# Altium PCB CM4-Tower.PcbDoc (part 9 of 10)
Units mil, origin at the board's own origin, x right, y up, seen from the top; angles counter-clockwise.
Board outline 1968.5 x 5354.33 mil, 8 copper layers (Top Layer, Layer 2, Layer 3, Layer 4, Layer 5, Layer 6, Layer 7, Bottom Layer), stack 61.408 mil thick; 632 components, 480 nets, 2338 pads, 1074 vias.
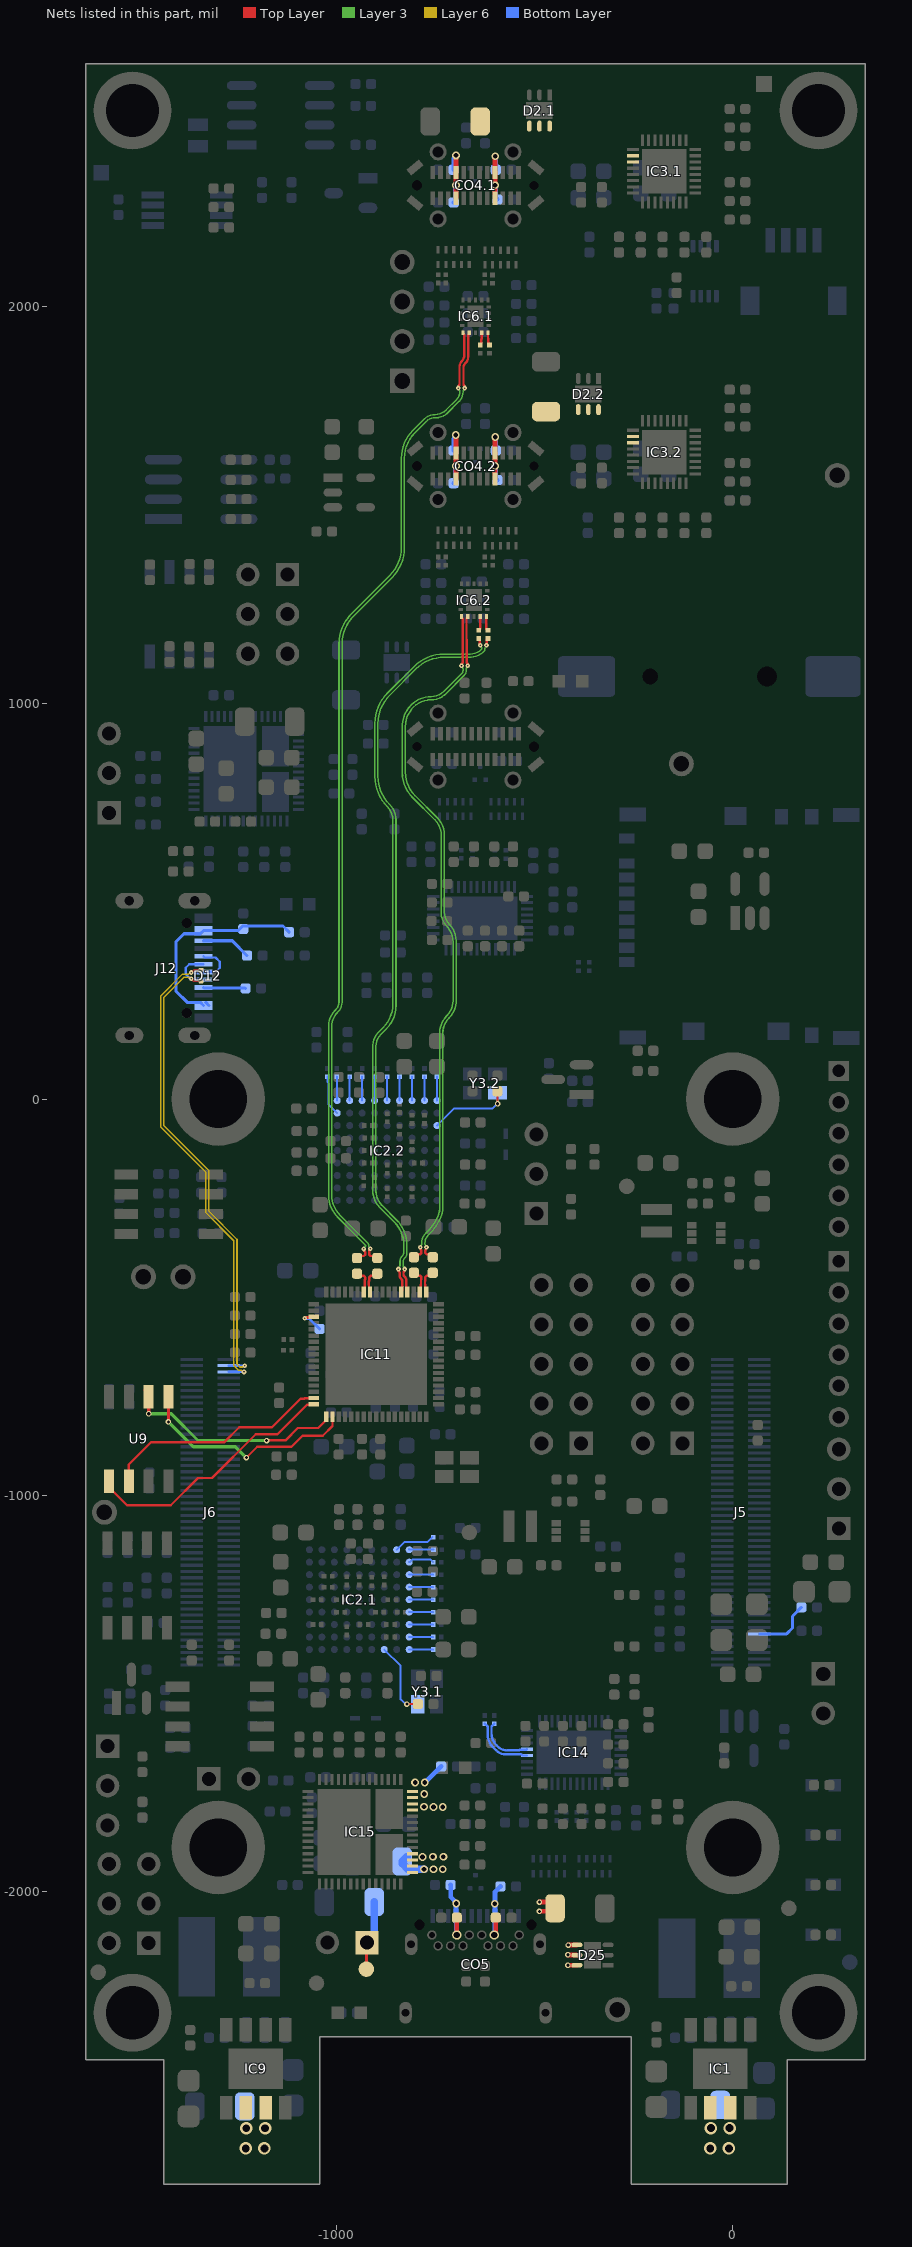
[diagram p15: the nets of this part, all layers, seen from the top]

## Via types
v1: diameter 13.78, hole 7.87, Top Layer to Bottom Layer, tented both sides, 538 vias
v2: diameter 11.81, hole 3.94, Top Layer to Bottom Layer, tented both sides, 294 vias
v3: diameter 19.68, hole 11.81, Top Layer to Bottom Layer, tented both sides, 193 vias
v4: diameter 31.5, hole 19.68, Top Layer to Bottom Layer, tented both sides, 49 vias

## Nets (pads, with @x,y where several pads share a name; then routed paths per layer and width w, separated by ;. In a path a pad name is that pad's centre, name@x,y a point inside that pad or via, vN(x,y) a via of type N, cw(c..) or ccw(c..) an arc to the next point about the centre after c; other vN are vias at no path point) (continued)
USB3_DFP_RX.2_N: C30.2.2 IC11.5 | length 1889
  Top Layer w5.91: v2(-844.33,-429.29) cw(c-847.05,-432.02) -843.2,-432.02 -843.2,-434.26 ccw(c-840.09,-434.26) -842.29,-436.46 cw(c-844.49,-438.66) -841.37,-438.66 -841.37,-445.49 ccw(c-831.62,-445.49) -838.52,-452.38 -837.92,-452.98 cw(c-846.26,-461.33) -834.46,-461.33 -834.46,-467.7 cw(c-835.8,-467.7) -834.85,-468.65 -834.85,-480.9 cw(c-843.59,-480.9) IC11.5@-837.41,-487.08 ; C30.2.2@-641.73,1162.8 -638.93,1159.99 -638.93,1146.8 v2(-637.8,1145.67)
  Layer 3 w3.94: v2(-844.33,-429.29) cw(c-839.18,-429.29) -842.83,-425.66 -842.36,-425.19 ccw(c-847.11,-420.44) -840.39,-420.44 -840.39,-408.92 cw(c-823.86,-408.92) -835.55,-397.24 ccw(c-847.24,-385.55) -830.71,-385.55 -830.71,-368.73 ccw(c-912.99,-368.73) -854.81,-310.55 -891.7,-273.66 cw(c-850.11,-232.07) -891.74,-273.62 cw(c-850.11,-232.07) -908.47,-239.38 cw(c-850.11,-232.07) -908.86,-234.88 cw(c-850.11,-232.07) -908.93,-232.07 -908.93,136.16 cw(c-865.69,136.16) -896.26,166.73 -883.6,179.4 ccw(c-944.75,240.54) -858.27,240.54 -858.27,704.56 ccw(c-906.19,704.56) -872.3,738.45 cw(c-796.07,814.68) -903.88,814.68 -903.88,948.44 cw(c-796.11,948.44) -903.88,948.59 cw(c-796.11,948.44) -872.36,1024.6 cw(c-796.11,948.44) -872.32,1024.65 -805.16,1091.8 cw(c-728.95,1015.6) -805.08,1091.88 cw(c-728.95,1015.6) -728.95,1123.37 -663.03,1123.37 ccw(c-663.03,1162.91) -635.07,1134.95 ccw(c-638.01,1137.88) -633.86,1137.88 ccw(c-638.01,1137.88) -635.07,1140.82 -636.29,1142.03 cw(c-632.65,1145.67) v2(-637.8,1145.67)
USB3_DFP_RX.2_P: C24.2.2 IC11.4 | length 1888.9
  Top Layer w5.91: v2(-828.58,-429.29) ccw(c-825.85,-432.02) -829.62,-431.19 ccw(c-825.85,-432.02) -829.71,-432.02 -829.71,-434.26 cw(c-832.82,-434.26) -830.62,-436.46 ccw(c-828.42,-438.66) -831.53,-438.66 -831.53,-441.41 ccw(c-821.78,-441.41) -828.68,-448.3 -828.07,-448.91 cw(c-836.42,-457.25) -824.62,-457.25 -824.62,-467.7 ccw(c-823.27,-467.7) -824.22,-468.65 -824.22,-480.9 ccw(c-815.49,-480.9) IC11.4@-821.66,-487.08 ; v2(-622.05,1145.67) -620.92,1146.8 -620.92,1159.99 C24.2.2@-618.11,1162.8
  Layer 3 w3.94: v2(-828.58,-429.29) ccw(c-833.72,-429.29) -830.08,-425.66 -830.55,-425.19 cw(c-825.8,-420.44) -832.52,-420.44 -832.52,-412.19 cw(c-815.99,-412.19) -827.68,-400.5 ccw(c-839.36,-388.81) -822.83,-388.81 -822.83,-368.73 ccw(c-912.99,-368.73) -844.92,-309.61 -847,-307.22 -886.09,-268.13 cw(c-849.98,-232.01) -886.15,-268.07 cw(c-849.98,-232.01) -900.6,-238.82 cw(c-849.98,-232.01) -901.05,-232.01 -901.05,132.89 cw(c-857.81,132.89) -888.39,163.47 -875.72,176.13 ccw(c-936.87,237.28) -850.39,237.28 -850.39,704.59 ccw(c-906.11,704.59) -866.71,743.99 -866.78,744.06 cw(c-796.01,814.71) -896.01,814.71 -896.01,948.4 cw(c-796.01,948.4) -866.72,1019.11 -799.62,1086.2 cw(c-728.91,1015.49) -728.91,1115.49 -662.09,1115.49 -661.15,1115.53 ccw(c-663.03,1162.91) -630.81,1128.13 -630.15,1128.74 -628.35,1130.53 ccw(c-634.07,1136.25) -625.98,1136.25 cw(c-617.9,1136.25) v2@-623.62,1141.96 ; v2@-623.62,1141.97 -623.55,1142.03 ccw(c-627.19,1145.67) v2(-622.05,1145.67)
USB3_DFP_RX_C.1_N: C30.1.1 IC6.1.17 | length 32
  Top Layer w6.1: C30.1.1@-637.8,1904.13 ccw(c-644.69,1911.02) -634.94,1911.02 -634.94,1918.13 cw(c-633.09,1918.13) -634.4,1919.44 ccw(c-635.71,1920.75) -633.86,1920.75 IC6.1.17@-633.86,1935.04
USB3_DFP_RX_C.1_P: C24.1.1 IC6.1.18 | length 32
  Top Layer w6.1: IC6.1.18@-618.11,1935.04 -618.11,1920.75 ccw(c-616.26,1920.75) -617.57,1919.44 cw(c-618.88,1918.13) -617.03,1918.13 -617.03,1911.02 ccw(c-607.28,1911.02) C24.1.1@-614.17,1904.13
USB3_DFP_RX_C.2_N: C30.2.1 IC6.2.17 | length 36.5
  Top Layer w6.1: C30.2.1@-641.73,1183.66 -637.8,1187.6 IC6.2.17@-637.8,1218.5
USB3_DFP_RX_C.2_P: C24.2.1 IC6.2.18 | length 37
  Top Layer w6.1: IC6.2.18@-622.05,1218.5 -622.05,1187.6 -619.09,1184.65 C24.2.1@-617.13,1184.65
USB3_DFP_TX.1_N: C89.1 IC6.1.14 | length 2530.7
  Top Layer w5.91: C89.1@-948.82,-401.57 -943.47,-396.23 -931.61,-396.23 -928.15,-392.77 -928.15,-386.04 -930.11,-384.07 -930.45,-383.74 -930.45,-379.56 v2(-931.58,-378.43) ; v2(-692.91,1795.28) ccw(c-695.64,1798) -691.78,1798 -691.78,1800.25 cw(c-688.67,1800.25) -690.87,1802.45 ccw(c-693.07,1804.65) -689.96,1804.65 -689.96,1849.31 cw(c-669.8,1849.31) -684.06,1863.57 ccw(c-698.31,1877.82) -678.15,1877.82 -678.15,1927.91 ccw(c-683.48,1927.91) -679.71,1931.68 cw(c-676.35,1935.04) IC6.1.14@-681.1,1935.04
  Layer 3 w3.94: v2(-931.58,-378.43) cw(c-926.59,-378.43) -930.12,-374.91 -928.56,-373.34 ccw(c-931.34,-370.56) -927.4,-370.56 ccw(c-931.34,-370.56) -928.55,-367.78 -950.04,-346.29 -955.61,-340.72 -996.5,-299.83 cw(c-938.04,-241.37) -1020.72,-241.37 -1020.72,183.9 cw(c-963.43,183.9) -1003.94,224.41 ccw(c-1041.96,262.43) -997.95,231.54 ccw(c-1041.96,262.43) -997.62,232.01 ccw(c-1000.88,234.22) -997.44,232.3 ccw(c-1019.09,244.17) -994.4,244.17 -994.4,1149.26 cw(c-886.63,1149.26) -994.4,1149.41 cw(c-886.63,1149.26) -962.88,1225.42 cw(c-886.63,1149.26) -962.83,1225.47 -866.24,1322.06 ccw(c-936.95,1392.77) -836.95,1392.77 -836.95,1618.2 cw(c-738.19,1618.2) -836.95,1618.34 cw(c-738.19,1618.2) -808.09,1687.98 cw(c-738.19,1618.2) -808.02,1688.04 -779.06,1717 cw(c-751.67,1689.61) -779,1717.06 cw(c-751.67,1689.61) -751.67,1728.35 ; -751.63,1728.35 ccw(c-751.63,1767.18) -724.17,1739.72 -696.65,1767.24 ccw(c-715.18,1785.77) -688.98,1785.77 ccw(c-697.27,1785.77) -691.4,1791.63 cw(c-687.77,1795.28) v2(-692.91,1795.28)
USB3_DFP_TX.1_P: C87.1 IC6.1.15 | length 2530.5
  Top Layer w5.91: v2(-915.35,-377.95) -915.35,-379.55 -918.31,-382.5 -918.31,-392.77 -914.85,-396.23 -902.99,-396.23 C87.1@-897.64,-401.57 ; v2(-677.17,1795.28) cw(c-674.44,1798) -678.3,1798 -678.3,1800.25 ccw(c-681.41,1800.25) -679.21,1802.45 cw(c-677.01,1804.65) -680.12,1804.65 -680.12,1845.23 cw(c-659.96,1845.23) -674.21,1859.49 ccw(c-688.47,1873.75) -668.31,1873.75 -668.31,1927.91 cw(c-662.98,1927.91) -666.75,1931.68 ccw(c-670.11,1935.04) IC6.1.15@-665.35,1935.04
  Layer 3 w3.94: v2(-915.35,-377.95) ccw(c-920.35,-377.95) -916.81,-374.43 -917.44,-373.8 cw(c-912.4,-368.76) -919.53,-368.76 -919.53,-368.69 ccw(c-926.83,-368.69) -921.67,-363.53 -946.78,-338.42 -981.18,-304.01 -990.88,-294.31 cw(c-937.88,-241.3) -1012.84,-241.3 -1012.84,180.64 cw(c-955.56,180.64) -996.06,221.15 ccw(c-1019.09,244.17) -986.53,244.17 -986.53,1149.22 cw(c-886.53,1149.22) -957.24,1219.93 -860.64,1316.52 ccw(c-936.85,1392.73) -829.08,1392.73 -829.08,1618.18 cw(c-738.13,1618.18) -802.44,1682.49 -773.52,1711.4 cw(c-751.63,1689.51) -751.63,1720.47 -748.37,1720.47 ccw(c-748.37,1759.31) -720.93,1731.83 -691.06,1761.7 ccw(c-715.08,1785.73) -681.1,1785.73 ; -681.1,1785.77 cw(c-672.8,1785.77) -678.68,1791.63 ccw(c-682.31,1795.28) v2(-677.17,1795.28)
USB3_DFP_TX.2_N: C86.1 IC6.2.14 | length 1783.2
  Top Layer w5.91: C86.1@-805.35,-399.33 -801.3,-395.29 cw(c-794.07,-402.52) -794.07,-392.29 -792.27,-392.29 ccw(c-792.27,-386.38) -788.1,-390.56 ccw(c-792.27,-386.38) -786.37,-386.38 -786.37,-383.39 ; v2(-789.32,-374.02) cw(c-792.05,-376.74) -788.19,-376.74 -788.19,-378.99 ccw(c-785.08,-378.99) -787.28,-381.19 cw(c-789.48,-383.39) -786.37,-383.36 ; IC6.2.14@-685.04,1218.5 -685.04,1216.54 -682.09,1213.58 -682.09,1156.37 ; v2(-685,1094) -685,1099.13 -682.05,1102.08 -682.05,1156.33 ; -682.09,1156.37 -682.05,1156.33
  Layer 3 w3.94: v2(-789.32,-374.02) cw(c-784.18,-374.02) v2@-787.82,-370.39 ; v2@-787.81,-370.37 ccw(c-793.68,-364.51) -785.38,-364.51 cw(c-747.2,-364.49) -774.42,-337.71 -774.35,-337.64 cw(c-768.74,-343.17) -774.12,-337.41 ccw(c-859.91,-244.53) -744.12,-295.34 ccw(c-786.98,-276.48) -740.16,-276.48 -740.16,-276.41 -740.16,166.75 cw(c-678.62,166.75) -740.16,166.9 cw(c-678.62,166.75) -722.13,210.26 ; -722.1,210.29 ccw(c-760.06,248.25) -707.97,235.28 ccw(c-760.06,248.25) -706.38,248.25 -706.38,396.6 ccw(c-765.15,396.6) -723.59,438.16 cw(c-693.11,468.64) -736.22,468.64 -736.22,666.71 ccw(c-789.99,666.71) -739.42,684.98 ccw(c-789.99,666.71) -751.97,704.72 -808.24,761 cw(c-744.51,824.74) -834.65,824.74 -834.65,940.47 -834.65,940.54 cw(c-757.41,940.54) -834.58,943.75 -834.53,944.61 cw(c-757.13,940.43) -811.85,995.33 cw(c-761.96,945.26) -768.37,1015.65 -765.22,1015.94 -761.86,1015.94 ccw(c-761.95,1061.17) -761.52,1015.95 ccw(c-761.95,1061.17) -729.98,1029.19 -684.54,1074.62 ccw(c-692.93,1083.02) -681.07,1083.02 -681.07,1085.15 ccw(c-687.79,1085.15) -683.04,1089.9 -683.5,1090.36 cw(c-679.86,1094) v2(-685,1094)
USB3_DFP_TX.2_P: C85.1 IC6.2.15 | length 1783.3
  Top Layer w5.91: v2(-773.57,-374.02) ccw(c-770.85,-376.74) -774.7,-376.74 -774.7,-378.99 cw(c-777.82,-378.99) -775.61,-381.19 ccw(c-773.41,-383.39) -776.53,-383.39 -776.53,-386.38 ccw(c-770.62,-386.38) -774.8,-390.56 ccw(c-770.62,-386.38) -770.62,-392.29 -768.83,-392.29 cw(c-768.83,-402.52) C85.1@-761.6,-395.28 ; C85.1@-761.59,-395.29 C85.1@-757.55,-399.33 ; IC6.2.15@-669.29,1218.5 -669.29,1216.54 -672.24,1213.58 -672.24,1160.44 -672.21,1160.41 -672.21,1102.08 -669.26,1099.13 v2(-669.26,1094)
  Layer 3 w3.94: v2@-775.07,-370.39 cw(c-778.72,-374.02) v2(-773.57,-374.02) ; v2@-775.08,-370.37 cw(c-769.21,-364.51) -777.51,-364.51 cw(c-710.04,-364.51) -777.51,-364.36 cw(c-747.2,-364.49) -768.78,-343.21 cw(c-766,-345.99) -768.69,-343.12 ccw(c-859.91,-244.53) -736.9,-298.47 ccw(c-786.98,-276.48) -732.43,-280.55 cw(c-728.51,-280.87) -732.28,-279.74 -732.28,-258.24 -732.28,166.71 cw(c-678.52,166.71) -732.28,166.81 cw(c-678.52,166.71) -716.54,204.72 ccw(c-759.97,248.21) -700.9,231.21 ccw(c-759.97,248.21) -698.51,248.21 -698.51,399.86 ccw(c-757.28,399.86) -715.72,441.42 cw(c-685.24,471.91) -728.35,471.91 -728.35,666.82 ccw(c-789.72,666.82) -732.62,689.31 ccw(c-789.72,666.82) -746.32,710.21 -802.57,766.46 cw(c-744.15,824.89) -826.77,824.89 -826.77,940.36 -826.77,940.43 cw(c-757.13,940.43) -806.37,989.67 cw(c-761.96,945.26) -761.96,1008.07 -761.88,1008.07 ccw(c-761.93,1061.1) -741.24,1012.27 ccw(c-761.93,1061.1) -738.68,1013.44 ccw(c-761.93,1061.1) -724.43,1023.6 -677.82,1070.21 ccw(c-689,1081.38) -673.19,1081.38 -673.19,1085.15 cw(c-666.47,1085.15) -671.22,1089.9 -670.76,1090.37 ccw(c-674.4,1094) v2(-669.26,1094)
USB3_RX_C_N: C140.1 IC14.4 | length 158.3
  Bottom Layer w5.91: C140.1@-625.98,-1577.36 -623.03,-1580.31 -622.55,-1580.31 -620.82,-1582.04 cw(c-625,-1586.22) -619.09,-1586.22 -619.09,-1603.4 ccw(c-571.71,-1603.4) -605.24,-1636.88 ; -605.22,-1636.91 -597.48,-1644.65 ccw(c-573.63,-1620.8) -573.63,-1654.53 -536.54,-1654.53 cw(c-536.54,-1659.57) -532.98,-1655.99 ccw(c-529.41,-1652.44) -529.41,-1657.48 IC14.4@-519.68,-1657.48
USB3_RX_C_P: C138.1 IC14.5 | length 142.2
  Bottom Layer w5.91: C138.1@-602.36,-1577.36 -605.31,-1580.31 -605.79,-1580.31 -607.52,-1582.04 ccw(c-603.35,-1586.22) -609.25,-1586.22 -609.25,-1601.36 ccw(c-566.79,-1601.36) -596.84,-1631.37 ; -596.81,-1631.39 -593.4,-1634.81 ; -593.38,-1634.82 ccw(c-569.55,-1610.96) -569.55,-1644.69 -540.49,-1644.69 ccw(c-540.49,-1641.32) -538.12,-1643.7 cw(c-535.74,-1646.08) -535.74,-1642.72 -522.06,-1642.72 ccw(c-522.06,-1639.36) IC14.5@-519.68,-1641.73
USB3_TX_C_N: C86.2 IC11.2 | length 61.1
  Top Layer w5.91: C86.2@-805.35,-438.7 C86.2@-802.57,-441.48 ; C86.2@-802.56,-441.49 ccw(c-792.27,-431.18) -792.27,-445.74 cw(c-792.27,-451.65) -788.1,-447.47 cw(c-792.27,-451.65) -786.37,-451.65 -786.37,-453.5 cw(c-787.81,-453.5) -786.79,-454.52 ccw(c-785.77,-455.54) -787.22,-455.54 -787.22,-467.7 cw(c-788.56,-467.7) -787.61,-468.64 -787.61,-480.9 cw(c-796.35,-480.9) IC11.2@-790.17,-487.08
USB3_TX_C_P: C85.2 IC11.1 | length 61.1
  Top Layer w5.91: IC11.1@-774.42,-487.08 cw(c-768.24,-480.9) -776.98,-480.9 -776.98,-468.65 cw(c-776.03,-467.7) -777.37,-467.7 -777.37,-459.62 cw(c-775.93,-459.62) -776.95,-458.59 ccw(c-777.97,-457.57) -776.53,-457.57 -776.53,-451.65 cw(c-770.62,-451.65) -774.8,-447.47 cw(c-770.62,-451.65) -770.62,-445.74 ccw(c-770.62,-431.18) C85.2@-760.34,-441.49 ; C85.2@-760.33,-441.48 C85.2@-757.55,-438.7
USB4_TX_C_N: C89.2 IC11.11 | length 61.4
  Top Layer w5.91: C89.2@-948.8,-440.96 ccw(c-935.9,-428.03) -935.9,-446.29 -934.06,-446.29 cw(c-934.06,-452.2) -929.88,-448.02 cw(c-934.06,-452.2) -928.15,-452.2 -928.15,-454.48 cw(c-929.51,-454.48) -928.55,-455.44 ccw(c-927.59,-456.41) -928.95,-456.41 -928.95,-467.7 cw(c-930.29,-467.7) -929.34,-468.64 -929.34,-480.9 cw(c-938.08,-480.9) IC11.11@-931.9,-487.08
USB4_TX_C_P: C87.2 IC11.10 | length 61.4
  Top Layer w5.91: IC11.10@-916.15,-487.08 cw(c-909.97,-480.9) -918.71,-480.9 -918.71,-468.65 cw(c-917.76,-467.7) -919.11,-467.7 -919.11,-460.48 cw(c-917.74,-460.48) -918.71,-459.52 ccw(c-919.67,-458.56) -918.31,-458.56 -918.31,-452.2 cw(c-912.4,-452.2) -916.58,-448.02 cw(c-912.4,-452.2) -912.4,-446.29 -910.55,-446.29 ccw(c-910.55,-428.03) C87.2@-897.65,-440.96
USB_5V: J12.A4/B9 J12.A9/B4 R17.1 R20.1 | length 529
  Bottom Layer w7.87: J12.A4/B9@-1336.52,236.22 -1344.39,244.09 -1377.95,244.09 -1405.51,271.65 -1405.51,397.64 -1385.83,417.32 -1344.39,417.32 J12.A9/B4@-1336.52,425.2 -1249.36,425.2 -1237.55,437.01 -1135.93,437.01 R17.1@-1120.18,421.26 ; J12.A4/B9@-1330.81,244.09 J12.A4/B9@-1322.93,236.22
USB_CC1: J12.A5 R114.1 | length 106.9
  Bottom Layer w7.87: J12.A5@-1336.52,281.5 -1335.53,280.51 -1231.4,280.51 R114.1@-1230.41,279.53
USB_CC2: J12.B5 R115.1 | length 126.9
  Bottom Layer w7.87: J12.B5@-1335.53,398.62 J12.B5@-1336.52,399.61 -1263.88,399.61 R115.1@-1226.48,362.2
USB_N: D12.2 J6.103 J12.A7 J12.B7 | length 1302.1
  Top Layer w5.91: v2(-1367.43,303.7) -1365.83,303.7 -1360.2,298.06 D12.2@-1342.59,298.06
  Layer 6 w3.94: v2(-1367.43,303.7) -1369.56,303.7 -1373.5,307.64 -1385.95,307.64 -1437.01,256.58 -1437.01,-66.93 -1322.83,-181.1 -1322.83,-283.46 -1251.97,-354.33 -1251.97,-669.29 -1247.36,-673.9 -1247.36,-674.29 -1245.05,-676.6 -1237.78,-676.6 -1234.41,-673.23 v2(-1232.28,-673.23)
  Bottom Layer w5.91: J12.B7@-1336.52,301.18 -1337.91,302.57 -1366.3,302.57 v2(-1367.43,303.7) -1369.03,303.7 -1371.98,306.65 -1372.73,306.65 -1381.36,315.29 -1381.36,331.61 -1372.42,340.55 J12.A7@-1336.52,340.55 ; J6.103@-1272.44,-673.23 v2(-1232.28,-673.23)
USB_P: D12.1 J6.105 J12.A6 J12.B6 | length 1348.3
  Top Layer w5.91: v2(-1367.43,319.45) -1365.83,319.45 -1359.66,325.62 D12.1@-1342.59,325.62
  Layer 6 w3.94: v2(-1367.43,319.45) -1369.56,319.45 -1373.5,315.51 -1389.21,315.51 -1444.88,259.84 -1444.88,-70.19 -1330.71,-184.36 -1330.71,-286.73 -1259.84,-357.59 -1259.84,-672.55 -1257.54,-674.86 -1255.23,-677.17 -1255.23,-677.55 -1248.31,-684.47 -1240.5,-684.47 -1235.99,-688.98 v2(-1234.25,-688.98)
  Bottom Layer w5.91: v2(-1367.43,319.45) -1366.72,320.16 -1337.22,320.16 J12.A6@-1336.52,320.87 -1335.71,321.67 -1305.37,321.67 -1295.28,331.77 -1295.28,346.46 -1306.1,357.28 -1333.56,357.28 J12.B6@-1336.52,360.24 ; J6.105@-1272.44,-688.98 v2(-1234.25,-688.98)
VBUS: C143.1 C144.1 C145.1 C146.1 C147.1 CO5.4 CO5.9 CO5.24 CO5.29 D25.4 D25.5 D25.6 IC15.3 IC15.4 IC15.13 IC15.14 R172.1 | length 565.7
  Top Layer w11.81: CO5.24@-696.85,-2110.63 C147.1@-696.85,-2066.93 ; CO5.29@-602.36,-2110.63 -602.36,-2107.43 -598.43,-2103.5 C146.1@-598.43,-2066.93 ; v1(-488.19,-2051.18) -456.69,-2051.18 C143.1@-448.82,-2043.31 -464.57,-2027.56 v1(-488.19,-2027.56) ; v1(-416.36,-2187.13) -416.3,-2187.07 -393.78,-2187.07 D25.6@-393.72,-2187.01 ; v1(-416.36,-2160.59) -415.83,-2160.59 -415.15,-2161.27 -393.87,-2161.27 D25.5@-393.72,-2161.42 ; v1(-415.41,-2136.18) -415.2,-2135.97 -393.87,-2135.97 D25.4@-393.72,-2135.83
  Bottom Layer w11.81: v3(-777.86,-1725.82) -777.27,-1725.82 -736.49,-1685.04 R172.1@-736.22,-1685.04 ; C145.1@-712.6,-1984.25 -712.5,-1984.35 -712.5,-2014.76 -698.36,-2028.9 v3(-698.36,-2031.03) -698.82,-2031.5 CO5.9@-698.82,-2062.99 -698.82,-2078.26 -698.65,-2078.44 -698.65,-2109.13 CO5.24@-697.14,-2110.63 ; CO5.29@-602.36,-2110.63 -600.39,-2108.66 CO5.4@-600.39,-2062.99 -600.39,-2002 C144.1@-586.61,-1988.19
  other v3: -601.09,-2031.71 -783.35,-1913.95 -757.31,-1913.39 -730.8,-1913.39 -778.9,-1754.67 -802.17,-1725.82
VBUS_DFP.1: C25.1.1 C26.1.1 C27.1.1 C28.1.1 C29.1.1 CO4.1.4 CO4.1.9 CO4.1.24 CO4.1.29 D2.1.4 D2.1.5 D2.1.6 IC3.1.26 IC3.1.27 | length 379.2
  Top Layer w11.81: CO4.1.9@-698.82,2274.41 v3(-698.82,2307.09) CO4.1.24@-698.82,2339.76 v3(-698.82,2382.71) ; CO4.1.4@-600.39,2274.41 v3(-600.39,2307.09) CO4.1.29@-600.39,2339.76 -600.39,2379.84 v3(-599.92,2380.31)
  Bottom Layer w11.81: C27.1.1@-704.72,2263.78 -700.33,2268.18 -700.33,2305.58 v3(-698.82,2307.09) ; C28.1.1@-699.1,2352.08 C28.1.1@-704.72,2346.46 -704.72,2374.67 -698.82,2380.58 v3(-698.82,2382.71) ; v3(-600.39,2307.09) -598.89,2305.58 -598.89,2276.05 C29.1.1@-594.49,2271.65 ; v3(-599.92,2380.31) -599.17,2379.56 -599.17,2347.2 C26.1.1@-598.43,2346.46
VBUS_DFP.2: C25.2.1 C26.2.1 C27.2.1 C28.2.1 C29.2.1 CO4.2.4 CO4.2.9 CO4.2.24 CO4.2.29 D2.2.4 D2.2.5 D2.2.6 IC3.2.26 IC3.2.27 | length 377.1
  Top Layer w11.81: v3(-699.78,1676.58) -698.82,1675.62 v3(-698.82,1598.24) CO4.2.9@-698.82,1565.56 ; CO4.2.4@-600.39,1565.56 v3(-600.39,1598.24) -600.39,1630.92 -600.39,1670.99 v3(-599.92,1671.46)
  Bottom Layer w11.81: C27.2.1@-704.72,1554.93 -700.33,1559.33 -700.33,1596.73 v3(-698.82,1598.24) ; C28.2.1@-704.72,1637.61 -704.72,1643.24 -704.72,1667.48 -699.26,1672.94 -699.26,1676.06 v3(-699.78,1676.58) ; v3(-600.39,1598.24) -598.89,1596.73 -598.89,1567.2 C29.2.1@-594.49,1562.81 ; v3(-599.92,1671.46) -599.17,1670.71 -599.17,1638.36 C26.2.1@-598.43,1637.61
VL_SPI_CS: IC11.34 U9.1 | length 665.1
  Top Layer w5.91: U9.1@-1574.8,-957.85 -1574.8,-982.46 -1565.16,-992.11 -1563.01,-992.11 -1529.44,-1025.68 -1467.96,-1025.68 -1467.91,-1025.63 -1419.33,-1025.63 -1350.39,-956.69 -1314.96,-956.69 -1204.72,-846.46 -1149.61,-846.46 -1075.27,-772.12 -1059.46,-772.12 IC11.34@-1057.88,-770.54
VL_SPI_SCK: IC11.35 U9.6 | length 572.6
  Top Layer w5.91: U9.6@-1484.84,-734.27 U9.6@-1472.44,-746.67 ; v1(-1177.17,-862.2) -1176.81,-861.84 -1129.56,-861.84 -1098.43,-830.71 -1046.99,-830.71 -1026.39,-810.11 IC11.35@-1026.39,-802.04
  Top Layer w7.87: v1(-1474.83,-794.72) -1474.83,-749.06 U9.6@-1472.44,-746.67
  Layer 3 w7.87: v1(-1474.83,-794.72) -1417.88,-794.72 -1350.39,-862.2 v1(-1177.17,-862.2)
VL_SPI_SI: IC11.36 U9.5 | length 572.3
  Top Layer w5.91: v1(-1228.35,-905.51) -1200.86,-878.03 -1114.25,-878.03 -1086.61,-850.39 -1035.43,-850.39 -1010.64,-825.6 IC11.36@-1010.64,-802.04
  Top Layer w7.87: v1(-1425.2,-814.96) -1425.2,-751.69 U9.5@-1425,-751.5
  Layer 3 w7.87: v1(-1425.2,-814.96) -1362.2,-877.95 -1255.91,-877.95 v1(-1228.35,-905.51)
VL_SPI_SO: IC11.33 U9.2 | length 579
  Top Layer w5.91: U9.2@-1525,-965.04 -1525,-922.64 -1468.5,-866.14 -1425.2,-866.14 -1283.46,-866.14 -1246.06,-828.74 -1163.39,-828.74 -1091.41,-756.76 -1081.65,-756.76 -1080.07,-755.19 -1058.28,-755.19 IC11.33@-1057.88,-754.8
VPWR: C4.1 C46.1 C62.1 C161.1 IC1.2 IC1.3 IC9.2 IC9.3 IC15.1 IC15.2 IC15.11 IC15.12 J11.1 TP5.1 | length 268.3
  Top Layer w7.87: TP5.1@-925.2,-2196.85 -925.2,-2123.62 J11.1@-923.62,-2122.05
  Bottom Layer w19.68: J11.1@-923.62,-2129.92 -905.51,-2111.81 C46.1@-905.51,-2027.56 ; C161.1@-822.48,-1913.03 C161.1@-834.65,-1925.2 -834.65,-1929.95 -820.07,-1944.52 v3(-779.61,-1944.52)
  other v3: -755.91,-1944.88 -732.28,-1944.88 -755.91,-1787.4 -732.28,-1787.4 -779.61,-1787.04
  other v4: -1229.9,-2649.64 -1182.66,-2649.64 -56.89,-2649.61 -9.65,-2649.61 -1228.33,-2598.46 -1181.09,-2598.46 -55.31,-2598.43 -8.07,-2598.43
WAKE: IC11.20 R139.2 | length 73.7
  Top Layer w7.87: v2(-1081.14,-553.18) -1080.08,-553.18 -1078.55,-551.65 -1059.46,-551.65 IC11.20@-1057.88,-550.07
  Bottom Layer w7.87: v2(-1081.14,-553.18) -1080.39,-553.93 -1069.95,-553.93 R139.2@-1043.31,-580.57
WL_DIS: J5.89 R122.2 | length 151.4
  Bottom Layer w7.87: J5.89@66.93,-1350.39 135.97,-1350.39 150.59,-1335.77 150.59,-1306.1 R122.2@173.23,-1283.46
XAUX.1_N: C115.1.2 IC2.1.H1 | length 103.3
  Bottom Layer w4.92: IC2.1.H1@-848.64,-1137.97 -828.77,-1118.11 -770.28,-1118.11 C115.1.2@-758.46,-1106.3
XAUX.1_P: C116.1.2 IC2.1.J1 | length 62.7
  Bottom Layer w4.92: IC2.1.J1@-817.14,-1136.6 IC2.1.J1@-817.14,-1137.97 -816.96,-1137.8 C116.1.2@-755.91,-1137.8
XAUX.2_N: C115.2.2 IC2.2.H1 | length 102.2
  Bottom Layer w4.92: C115.2.2@-1023.62,56.5 -1023.62,43.4 -1021.16,40.94 -1021.16,-13.14 IC2.2.H1@-998.86,-35.43
XAUX.2_P: C116.2.2 IC2.2.J1 | length 60.9
  Bottom Layer w4.92: C116.2.2@-1000,56.5 -999.43,55.93 -999.43,-3.37 IC2.2.J1@-998.86,-3.94
XDP0.1_N: C124.1.2 IC2.1.J8 | length 60.4
  Bottom Layer w4.92: IC2.1.J8@-817.14,-1358.45 C124.1.2@-756.71,-1358.45
XDP0.1_P: C125.1.2 IC2.1.J9 | length 60.4
  Bottom Layer w4.92: IC2.1.J9@-817.14,-1389.94 C125.1.2@-756.71,-1389.94
XDP0.2_N: C124.2.2 IC2.2.J8 | length 60.4
  Bottom Layer w4.92: IC2.2.J8@-778.39,-3.94 C124.2.2@-778.39,56.5
XDP0.2_P: C125.2.2 IC2.2.J9 | length 60.4
  Bottom Layer w4.92: IC2.2.J9@-746.9,-3.94 C125.2.2@-746.9,56.5
XDP1.1_N: C122.1.2 IC2.1.J6 | length 60.4
  Bottom Layer w4.92: IC2.1.J6@-817.14,-1295.45 C122.1.2@-756.71,-1295.46
XDP1.1_P: C123.1.2 IC2.1.J7 | length 60.4
  Bottom Layer w4.92: IC2.1.J7@-817.14,-1326.95 C123.1.2@-756.71,-1326.95
XDP1.2_N: C122.2.2 IC2.2.J6 | length 60.4
  Bottom Layer w4.92: IC2.2.J6@-841.38,-3.94 C122.2.2@-841.38,56.5
XDP1.2_P: C123.2.2 IC2.2.J7 | length 60.4
  Bottom Layer w4.92: IC2.2.J7@-809.89,-3.94 C123.2.2@-809.89,56.5
XDP2.1_N: C120.1.2 IC2.1.J4 | length 60.4
  Bottom Layer w4.92: IC2.1.J4@-817.14,-1232.46 C120.1.2@-756.71,-1232.46
XDP2.1_P: C121.1.2 IC2.1.J5 | length 60.4
  Bottom Layer w4.92: IC2.1.J5@-817.14,-1263.96 C121.1.2@-756.71,-1263.96
XDP2.2_N: C120.2.2 IC2.2.J4 | length 60.4
  Bottom Layer w4.92: IC2.2.J4@-904.38,-3.94 C120.2.2@-904.38,56.5
XDP2.2_P: C121.2.2 IC2.2.J5 | length 60.4
  Bottom Layer w4.92: IC2.2.J5@-872.88,-3.94 C121.2.2@-872.88,56.5
XDP3.1_N: C118.1.2 IC2.1.J2 | length 66.6
  Bottom Layer w4.92: IC2.1.J2@-817.14,-1169.47 -815.26,-1169.47 -807.86,-1162.07 -764.11,-1162.07 C118.1.2@-756.71,-1169.47
XDP3.1_P: C119.1.2 IC2.1.J3 | length 60.4
  Bottom Layer w4.92: IC2.1.J3@-817.14,-1200.97 C119.1.2@-756.71,-1200.97
XDP3.2_N: C118.2.2 IC2.2.J2 | length 60.4
  Bottom Layer w4.92: IC2.2.J2@-967.37,-3.94 C118.2.2@-967.37,56.5
XDP3.2_P: C119.2.2 IC2.2.J3 | length 60.4
  Bottom Layer w4.92: IC2.2.J3@-935.87,-3.94 C119.2.2@-935.87,56.5
XTAL.1: C128.1.2 IC2.1.G9 Y3.1.1 | length 219
  Top Layer w4.92: v1(-822.83,-1527.56) C128.1.2@-795.28,-1527.56
  Bottom Layer w4.92: IC2.1.G9@-880.13,-1389.94 -838.58,-1431.5 -838.58,-1515.75 -826.28,-1528.05 Y3.1.1@-795.28,-1528.05
XTAL.2: C128.2.2 IC2.2.G9 Y3.2.1 | length 234.6
  Top Layer w4.92: C128.2.2@-594.49,19.68 C128.2.2@-594.24,19.44 ; v1@-594.24,-11.56 v1(-594,-11.81)
  Top Layer w5.91: v1@-594.24,-11.56 C128.2.2@-594.24,19.44
  Bottom Layer w4.92: IC2.2.G9@-746.9,-66.93 -735.08,-55.12 -735.08,-54.9 -703.81,-23.62 -606.3,-23.62 -594.49,-11.81 v1(-594,-11.81) ; v1@-594,-11.32 Y3.2.1@-594,15.75
pads on no net: B1.H1 B1.H2 CO1.0 CO3.CD CO4.1.0 CO4.1.8 CO4.1.28 CO4.2.0 CO4.2.8 CO4.2.28 CO5.HOLE Fid1.1 Fid2.1 Fid3.1 Fid4.1 IC2.1.A9 IC2.1.B9 IC2.2.A9 IC2.2.B9 IC3.1.21 IC3.1.31 IC3.2.21 IC3.2.31 IC7.7 IC7.8 IC8.3 IC11.26 IC11.38 IC11.40 IC11.42 IC11.44 IC11.51 IC13.31 IC13.40 IC13.41 IC13.42 IC13.43 IC13.48 IC13.49 IC13.54 IC13.55 IC15.5 IC15.25 IC15.31 IC15.40 IC15.41 IC15.42 IC15.43 IC15.48 IC15.49 IC15.54 IC15.55 J5.16 J5.18 J5.19 J5.24 J5.28 J5.35 J5.36 J5.46 J5.47 J5.48 J5.64 J5.68 J5.70 J5.72 J5.73 J5.76 J5.77 J5.88 J5.90 J5.94 J5.96 J5.97 J6.104 J6.106 J6.111 J6.115 J6.117 J6.121 J6.123 J6.127 J6.128 J6.129 J6.130 J6.133 J6.134 J6.135 J6.136 J6.139 J6.140 J6.141 J6.142 J6.157 J6.159 J6.163 J6.165 J6.169 J6.171 J6.175 J6.177 J6.181 J6.183 J6.187 J6.189 J6.193 J6.194 J6.195 J6.196 J12.A8 J12.B8 J12.MH1 J12.MH2 Snap1.GND U3.4 U4.1 U6.3 U6.7

## Polygon pours and split planes (outlines as drawn)
no net on Layer0 "Default Coverlay 2 Top" (split plane): -413.39,-3251.97 728.35,-3251.97 728.35,-5141.73 -413.39,-5141.73
no net on Layer0 "Default Coverlay 2 Top" (split plane): 7027.56,-3370.08 7224.41,-3370.08 7224.41,-5023.62 7027.56,-5023.62
no net on Layer0 "Default Coverlay 2 Top" (split plane): 4665.35,-3370.08 4862.21,-3370.08 4862.21,-5023.62 4665.35,-5023.62
no net on Layer0 "Default Coverlay 2 Bottom" (split plane): -413.39,-3251.97 728.35,-3251.97 728.35,-5141.73 -413.39,-5141.73
no net on Layer0 "Default Coverlay 2 Bottom" (split plane): 7027.56,-3370.08 7224.41,-3370.08 7224.41,-5023.62 7027.56,-5023.62
no net on Layer0 "Default Coverlay 2 Bottom" (split plane): 4665.35,-3370.08 4862.21,-3370.08 4862.21,-5023.62 4665.35,-5023.62
NetIC1_8 on Top Layer "NETIC1_8_L01_P011" (solid, pour order 11): -90.55,-2379.95 -127.92,-2379.95 -153.54,-2354.33 -187.61,-2354.33 -187.61,-2263.81 -94.5,-2263.81 -94.5,-2314.94 -90.55,-2318.9
NetIC9_8 on Top Layer "NETIC9_8_L01_P010" (solid, pour order 10): -1263.78,-2380.13 -1312.78,-2380.13 -1329.51,-2363.41 -1399.58,-2363.41 -1399.58,-2259.84 -1307.09,-2259.84 -1307.09,-2275.59 -1263.78,-2318.9
+5V on Top Layer "+5V_L01_P009" (solid, pour order 9): 31.5,-1248.03 122.05,-1248.03 169.29,-1200.79 169.29,-1149.61 220.47,-1149.61 220.47,-1255.91 90.55,-1385.83 90.55,-1448.82 66.93,-1472.44 31.5,-1472.44
VBUS_DFP.2 on Top Layer "VBUS_DFP.2_L01_P004" (solid, pour order 4): -237.51,1676.98 -267.72,1676.98 -342.71,1751.97 -665.17,1751.97 -712.6,1704.54 -712.6,1649.42 -590.55,1649.42 -590.55,1688.79 -566.93,1712.41 -342.52,1712.41 -283.46,1653.36 -237.51,1653.36
VBUS_DFP.1 on Top Layer "VBUS_DFP.1_L01_P001" (solid, pour order 1): -237.51,2385.83 -267.72,2385.83 -346.46,2464.57 -661.42,2464.57 -712.6,2413.39 -712.6,2358.27 -590.55,2358.27 -590.55,2397.64 -566.93,2421.26 -342.52,2421.26 -283.46,2362.2 -237.51,2362.2
+5V on Top Layer "+5V_L01_P005" (solid, pour order 5): -237.34,1645.71 -267.95,1645.71 -271.88,1649.64 -302.93,1649.64 -311.02,1641.55 -311.02,1621.86 -307.09,1617.92 -271.65,1617.92 -267.72,1621.86 -236.85,1621.86
+5V on Top Layer "+5V_L01_P003" (solid, pour order 3): -237.34,2354.56 -267.95,2354.56 -271.88,2358.49 -302.93,2358.49 -311.02,2350.39 -311.02,2330.71 -307.09,2326.77 -271.65,2326.77 -267.72,2330.71 -236.85,2330.71
DP_VBUS on Bottom Layer "DP_VBUS_L08_P006" (solid, pour order 6): -1110.24,908.28 -1056.29,908.28 -889.76,1074.8 -665.35,1074.8 -592.03,1001.48 -592.03,935.53 -709.22,935.53 -709.22,1015.75 -897.64,1015.75 -1028.91,884.47 -1110.24,884.47
+5V on Layer 5 (split plane): 314.55,-2405.1 137.8,-2405.1 133.87,-2405.49 130.1,-2406.63 126.63,-2408.49 123.58,-2410.99 121.09,-2414.03 119.23,-2417.51 118.08,-2421.28 117.7,-2425.2 117.7,-2720.06 -235.81,-2720.06 -235.81,-2368.11 -236.19,-2364.19 -237.34,-2360.42 -239.2,-2356.95 -241.69,-2353.9 -244.74,-2351.4 -248.21,-2349.54 -251.98,-2348.4 -255.91,-2348.01 -1043.31,-2348.01 -1047.23,-2348.4 -1051,-2349.54 -1054.47,-2351.4 -1057.52,-2353.9 -1060.02,-2356.95 -1061.87,-2360.42 -1063.02,-2364.19 -1063.4,-2368.11 -1063.4,-2720.06 -1416.91,-2720.06 -1416.91,-2425.2 -1417.3,-2421.28 -1418.44,-2417.51 -1420.3,-2414.03 -1422.8,-2410.99 -1425.84,-2408.49 -1429.32,-2406.63 -1433.09,-2405.49 -1437.01,-2405.1 -1613.76,-2405.1 -1613.76,2594.08 314.55,2594.08
+1V2 on Layer 5 (split plane): -513.83,64.46 -513.83,59.06 -513.83,19.68 -513.83,-5.41 -537.9,-29.48 -681.1,-29.48 -682.64,-29.68 -684.08,-30.27 -685.31,-31.22 -736.5,-82.4 -737.44,-83.64 -738.04,-85.07 -738.24,-86.61 -738.24,-206.19 -781.99,-249.95 -1082.68,-249.95 -1084.22,-250.15 -1085.66,-250.75 -1086.89,-251.69 -1421.53,-586.34 -1422.48,-587.57 -1423.08,-589.01 -1423.28,-590.55 -1423.28,-1059.06 -1423.28,-1066.93 -1423.28,-1102.36 -1423.08,-1103.9 -1422.73,-1104.75 -1422.48,-1105.34 -1421.53,-1106.57 -1346.7,-1181.41 -1345.46,-1182.36 -1344.03,-1182.95 -1342.48,-1183.16 -1202.53,-1183.16 -1200.99,-1182.95 -1199.55,-1182.36 -1198.32,-1181.41 -1161.3,-1144.39 -740.8,-1144.39 -739.26,-1144.19 -738.42,-1143.84 -737.82,-1143.6 -736.59,-1142.65 -635.33,-1041.39 -388.29,-1041.39 -281.55,-1148.14 -281.55,-1214.07 -305.62,-1238.14 -562.99,-1238.14 -564.53,-1238.34 -565.38,-1238.69 -565.97,-1238.94 -567.2,-1239.88 -673.5,-1346.18 -674.45,-1347.42 -675.04,-1348.85 -675.25,-1350.39 -675.25,-1509.34 -707.19,-1541.29 -796.75,-1541.29 -824.75,-1513.28 -824.75,-1437.01 -824.96,-1435.47 -825.55,-1434.03 -826.5,-1432.8 -877.68,-1381.61 -878.91,-1380.67 -879.51,-1380.42 -880.35,-1380.07 -881.89,-1379.87 -1355.8,-1379.87 -1509.79,-1225.88 -1509.79,-494.59 -1050.91,-35.71 -924.92,90.28 -895.17,120.03 -569.4,120.03
VBUS on Layer 5 (split plane): -285.48,-1852.86 -285.48,-2127.45 -360.74,-2202.7 -733.75,-2202.7 -860.19,-2076.27 -860.19,-1726.88 -832.18,-1698.87 -439.48,-1698.87
+1V05 on Layer 5 (split plane): -131.94,-215.07 -131.94,-224.41 -131.94,-362.2 -131.74,-363.75 -131.39,-364.59 -131.14,-365.18 -130.2,-366.42 -118.39,-378.23 -117.15,-379.17 -115.72,-379.77 -114.17,-379.97 68.4,-379.97 76.72,-388.29 76.72,-418.79 72.34,-423.18 -295.28,-423.18 -296.82,-423.38 -298.25,-423.98 -299.49,-424.92 -555.39,-680.83 -556.34,-682.06 -556.59,-682.66 -556.93,-683.5 -557.14,-685.04 -557.14,-767.72 -557.14,-870.08 -557.14,-946.35 -642.01,-1031.22 -649.88,-1039.1 -685.31,-1074.53 -743.27,-1132.48 -1163.77,-1132.48 -1165.31,-1132.68 -1166.75,-1133.28 -1167.98,-1134.23 -1205,-1171.24 -1340.02,-1171.24 -1411.37,-1099.89 -1411.37,-1059.06 -1411.37,-593.02 -1080.32,-261.97 -1079.96,-262.82 -1079.02,-264.05 -1077.78,-265 -1076.34,-265.6 -1074.8,-265.8 -866.65,-265.8 -866.65,-281.29 -849.26,-281.29 -849.26,-265.8 -803.66,-265.8 -803.66,-281.29 -789.42,-281.29 -789.42,-338.58 -789.22,-340.12 -788.62,-341.56 -787.68,-342.79 -744.64,-385.83 -817.16,-385.83 -817.16,-451.14 -742.35,-452.13 -742.35,-388.12 -712.87,-417.6 -711.64,-418.54 -710.2,-419.14 -708.66,-419.34 -531.5,-419.34 -529.95,-419.14 -529.11,-418.79 -528.52,-418.54 -527.28,-417.6 -304.62,-194.93 -152.07,-194.93
+3V3 on Layer 4 (split plane): 314.55,-1050.38 314,-1049.96 312.57,-1049.36 311.02,-1049.16 -98.42,-1049.16 -98.43,-1049.16 -99.97,-1049.36 -101.4,-1049.96 -102.64,-1050.91 -173.5,-1121.77 -174.45,-1123.01 -174.7,-1123.6 -175.04,-1124.44 -175.25,-1125.98 -175.25,-1606.3 -175.04,-1607.84 -174.7,-1608.68 -174.45,-1609.28 -173.5,-1610.51 86.34,-1870.35 87.57,-1871.3 89.01,-1871.9 90.55,-1872.1 311.02,-1872.1 312.57,-1871.9 314,-1871.3 314.55,-1870.88 314.55,-2405.1 137.8,-2405.1 133.87,-2405.49 130.1,-2406.63 126.63,-2408.49 123.58,-2410.99 121.09,-2414.03 119.23,-2417.51 118.08,-2421.28 117.7,-2425.2 117.7,-2720.06 -6.91,-2720.06 47.52,-2665.63 48.47,-2664.4 48.71,-2663.8 49.06,-2662.96 49.26,-2661.42 49.26,-2417.32 49.06,-2415.78 48.47,-2414.34 47.52,-2413.11 -133.58,-2232.01 -134.82,-2231.06 -135.41,-2230.82 -136.25,-2230.47 -137.8,-2230.26 -599.89,-2230.26 -671.21,-2158.95 -671.21,-1787.4 -671.41,-1785.86 -672.01,-1784.42 -672.95,-1783.19 -716.26,-1739.88 -717.49,-1738.94 -718.93,-1738.34 -720.47,-1738.14 -933.07,-1738.14 -934.61,-1738.34 -936.05,-1738.94 -937.28,-1739.88 -972.72,-1775.32 -973.66,-1776.55 -974.26,-1777.99 -974.46,-1779.53 -974.46,-2086.61 -974.46,-2214.07 -1014.28,-2253.89 -1393.7,-2253.89 -1395.24,-2254.09 -1396.68,-2254.68 -1397.91,-2255.63 -1433.35,-2291.06 -1434.29,-2292.3 -1434.54,-2292.89 -1434.89,-2293.73 -1435.09,-2295.28 -1435.09,-2405.29 -1437.01,-2405.1 -1613.76,-2405.1 -1613.76,2594.08 314.55,2594.08
VPWR on Layer 4 (split plane): -683.12,-1789.87 -683.12,-2161.42 -682.92,-2162.96 -682.32,-2164.4 -681.38,-2165.63 -606.57,-2240.43 -605.34,-2241.38 -603.9,-2241.97 -602.36,-2242.18 -140.26,-2242.18 37.35,-2419.79 37.35,-2658.95 -23.76,-2720.06 -235.81,-2720.06 -235.81,-2368.11 -236.19,-2364.19 -237.34,-2360.42 -239.2,-2356.95 -241.69,-2353.9 -244.74,-2351.4 -248.21,-2349.54 -251.98,-2348.4 -255.91,-2348.01 -1043.31,-2348.01 -1047.23,-2348.4 -1051,-2349.54 -1054.47,-2351.4 -1057.52,-2353.9 -1060.02,-2356.95 -1061.87,-2360.42 -1063.02,-2364.19 -1063.4,-2368.11 -1063.4,-2720.06 -1416.91,-2720.06 -1416.91,-2425.2 -1417.3,-2421.28 -1418.44,-2417.51 -1420.3,-2414.03 -1422.8,-2410.99 -1423.18,-2410.67 -1423.18,-2297.74 -1391.23,-2265.8 -1011.81,-2265.8 -1010.27,-2265.6 -1008.83,-2265 -1007.6,-2264.05 -964.29,-2220.75 -963.35,-2219.51 -962.75,-2218.08 -962.55,-2216.54 -962.55,-2086.61 -962.55,-1781.99 -930.6,-1750.05 -722.94,-1750.05
3V3_OUT on Layer 4 (split plane): 305.07,-1860.19 93.02,-1860.19 -163.33,-1603.83 -163.33,-1128.45 -95.96,-1061.07 305.07,-1061.07
GND on Layer 2 (split plane): 314.55,-2405.1 137.8,-2405.1 133.87,-2405.49 130.1,-2406.63 126.63,-2408.49 123.58,-2410.99 121.09,-2414.03 119.23,-2417.51 118.08,-2421.28 117.7,-2425.2 117.7,-2720.06 -235.81,-2720.06 -235.81,-2368.11 -236.19,-2364.19 -237.34,-2360.42 -239.2,-2356.95 -241.69,-2353.9 -244.74,-2351.4 -248.21,-2349.54 -251.98,-2348.4 -255.91,-2348.01 -1043.31,-2348.01 -1047.23,-2348.4 -1051,-2349.54 -1054.47,-2351.4 -1057.52,-2353.9 -1060.02,-2356.95 -1061.87,-2360.42 -1063.02,-2364.19 -1063.4,-2368.11 -1063.4,-2720.06 -1416.91,-2720.06 -1416.91,-2425.2 -1417.3,-2421.28 -1418.44,-2417.51 -1420.3,-2414.03 -1422.8,-2410.99 -1425.84,-2408.49 -1429.32,-2406.63 -1433.09,-2405.49 -1437.01,-2405.1 -1613.76,-2405.1 -1613.76,2594.08 314.55,2594.08
GND on Layer 7 (split plane): 314.55,-2405.1 137.8,-2405.1 133.87,-2405.49 130.1,-2406.63 126.63,-2408.49 123.58,-2410.99 121.09,-2414.03 119.23,-2417.51 118.08,-2421.28 117.7,-2425.2 117.7,-2720.06 -235.81,-2720.06 -235.81,-2368.11 -236.19,-2364.19 -237.34,-2360.42 -239.2,-2356.95 -241.69,-2353.9 -244.74,-2351.4 -248.21,-2349.54 -251.98,-2348.4 -255.91,-2348.01 -1043.31,-2348.01 -1047.23,-2348.4 -1051,-2349.54 -1054.47,-2351.4 -1057.52,-2353.9 -1060.02,-2356.95 -1061.87,-2360.42 -1063.02,-2364.19 -1063.4,-2368.11 -1063.4,-2720.06 -1416.91,-2720.06 -1416.91,-2425.2 -1417.3,-2421.28 -1418.44,-2417.51 -1420.3,-2414.03 -1422.8,-2410.99 -1425.84,-2408.49 -1429.32,-2406.63 -1433.09,-2405.49 -1437.01,-2405.1 -1613.76,-2405.1 -1613.76,2594.08 314.55,2594.08

## Keep-outs
Keep-Out Layer:
  the board outline again, w3.94

## Other copper
Top Layer:
  rectangle net +5V: -27.56,-322.83 78.74,-251.97
  rectangle net +1V05: -232.28,-291.77 -152.45,-208.66
  rectangle net VPWR: -75,-2669.29 11.61,-2515.75
  rectangle net VPWR: -1248.02,-2669.32 -1161.4,-2515.78
  rectangle net VPWR: -822.83,-1956.69 -720.47,-1933.07
  region net +5V: -1059.06,988.09 -1112.2,988.09 -1112.2,916.49 -1059.06,916.49
  rectangle net +3V3: -1169.29,-2264.77 -1093.23,-2060.05
  rectangle net VBUS: -822.83,-1925.2 -720.47,-1901.57
  rectangle net VBUS: -822.83,-1767.72 -763.78,-1708.66
  rectangle net VPWR: -822.83,-1799.21 -720.47,-1775.59
  region net +1V2: -551.18,-1039.37 -618.11,-1039.37 -618.11,-1118.11 -551.18,-1118.11
  region net +5V: -236.22,-984.25 -366.14,-984.25 -366.14,-1074.8 -236.22,-1074.8
  pour cut-out: -826.77,-576.71 -795.28,-576.71 -795.28,-610.24 -826.77,-610.24
Bottom Layer:
  rectangle net NetIC1_8: -187.43,-2318.9 -94.5,-2216.57
  rectangle net VPWR: -76.38,-2669.29 10.24,-2515.75
  rectangle net NetIC9_8: -1400.02,-2322.83 -1307.09,-2212.6
  rectangle net VPWR: -1249.59,-2669.32 -1162.98,-2515.78
  region net +5V: -1059.06,985.03 -1111.61,985.03 -1111.61,916.14 -1059.06,916.14
  region net NetIC13_11: -996.06,782.38 -1110.24,782.38 -1110.24,759.05 -996.06,759.05
  region net DP_VBUS: -1055.12,750.46 -1110.05,750.46 -1110.05,727.14 -1055.12,727.14
  rectangle net +5V: -27.56,-2267.72 114.17,-2062.99
  rectangle net +3V3: -1232.28,-2263.75 -1094.47,-2059.02
  rectangle net 3V3_OUT: -82.68,-1322.83 23.62,-1299.21
  rectangle net +5V: 39.37,-1338.58 133.86,-1267.72
Layer 2 (plane layer: these items are gaps in the copper):
  pour cut-out: -1394.2,-740.31 -1394.2,-716.54 -1321.46,-716.54 -1321.46,-740.31
  pour cut-out: -1394.2,-787.56 -1394.2,-763.78 -1321.23,-763.78 -1321.23,-787.56
  pour cut-out: -1394.2,-834.8 -1394.2,-811.02 -1320.99,-811.02 -1320.99,-834.8
  pour cut-out: -720.47,-2045.07 -737.86,-2045.07 -737.86,-2025.91 -720.47,-2025.91
  pour cut-out: -641.73,-2041.13 -659.12,-2041.13 -659.12,-2021.97 -641.73,-2021.97
  pour cut-out: -562.99,-2045.07 -580.38,-2045.07 -580.38,-2025.91 -562.99,-2025.91
  pour cut-out: -383.86,308.85 -366.47,308.85 -366.47,289.69 -383.86,289.69
  pour cut-out: -445.32,336.41 -427.93,336.41 -427.93,317.24 -445.32,317.24
  pour cut-out: -327.58,-1966.74 -310.19,-1966.74 -310.19,-1985.91 -327.58,-1985.91
  pour cut-out: -427.17,-1993.89 -444.56,-1993.89 -444.56,-1974.72 -427.17,-1974.72
  pour cut-out: -497.82,-2043.31 -497.82,-2025.92 -478.66,-2025.92 -478.66,-2043.31
  pour cut-out: -588.38,-1023.62 -588.38,-1006.23 -569.21,-1006.23 -569.21,-1023.62
  pour cut-out: -501.76,-956.69 -501.76,-939.3 -482.6,-939.3 -482.6,-956.69
  pour cut-out: -551.18,-970.68 -533.79,-970.68 -533.79,-989.84 -551.18,-989.84
  pour cut-out: -611.15,-431.31 -593.76,-431.31 -593.76,-450.47 -611.15,-450.47
  pour cut-out: -669.29,-490.36 -651.9,-490.36 -651.9,-509.53 -669.29,-509.53
  pour cut-out: -844.33,-419.65 -826.94,-419.65 -826.94,-438.82 -844.33,-438.82
  pour cut-out: -866.14,-372.25 -848.75,-372.25 -848.75,-391.42 -866.14,-391.42
  pour cut-out: -1026.39,-391.94 -1009,-391.94 -1009,-411.1 -1026.39,-411.1
  pour cut-out: -999.86,-423.44 -982.47,-423.44 -982.47,-442.6 -999.86,-442.6
  pour cut-out: -931.1,-368.32 -913.71,-368.32 -913.71,-387.48 -931.1,-387.48
  pour cut-out: -789.32,-364.38 -771.93,-364.38 -771.93,-383.54 -789.32,-383.54
  pour cut-out: -737.49,776.33 -720.1,776.33 -720.1,757.16 -737.49,757.16
  pour cut-out: -609.25,781.29 -591.86,781.29 -591.86,762.13 -609.25,762.13
  pour cut-out: -645.1,796.19 -627.71,796.19 -627.71,777.02 -645.1,777.02
  pour cut-out: -736.22,907.27 -718.83,907.27 -718.83,888.11 -736.22,888.11
  pour cut-out: -579.29,909.04 -561.9,909.04 -561.9,889.87 -579.29,889.87
  pour cut-out: -685,1103.63 -667.61,1103.63 -667.61,1084.47 -685,1084.47
  pour cut-out: -637.8,1155.3 -620.4,1155.31 -620.4,1136.14 -637.8,1136.14
  pour cut-out: -564.96,1462.39 -547.57,1462.39 -547.57,1443.23 -564.96,1443.23
  pour cut-out: -741.52,1462.01 -724.13,1462.01 -724.13,1442.84 -741.52,1442.84
  pour cut-out: -657.48,1544.88 -640.09,1544.88 -640.09,1525.72 -657.48,1525.72
  pour cut-out: -657.02,1684.73 -639.63,1684.73 -639.63,1665.57 -657.02,1665.57
  pour cut-out: -577.63,1617.44 -560.24,1617.45 -560.24,1598.28 -577.63,1598.28
  pour cut-out: -734.25,1615.75 -716.86,1615.75 -716.86,1596.58 -734.25,1596.58
  pour cut-out: -577.63,2326.29 -560.24,2326.29 -560.24,2307.13 -577.63,2307.13
  pour cut-out: -734.25,2324.6 -716.86,2324.6 -716.86,2305.43 -734.25,2305.43
  pour cut-out: -657.48,2395.46 -640.09,2395.46 -640.09,2376.3 -657.48,2376.3
  pour cut-out: -657.48,2253.73 -640.09,2253.73 -640.09,2234.57 -657.48,2234.57
  pour cut-out: -692.91,1804.91 -675.52,1804.91 -675.52,1785.75 -692.91,1785.75
  pour cut-out: -633.86,1856.09 -616.47,1856.09 -616.47,1836.93 -633.86,1836.93
  pour cut-out: -564.53,2169.19 -547.14,2169.19 -547.14,2150.03 -564.53,2150.03
  pour cut-out: -744.09,2171.05 -726.7,2171.05 -726.7,2151.89 -744.09,2151.89
  pour cut-out: -688.85,1307.16 -665.11,1307.16 -665.11,1295.02 -688.85,1295.02
  pour cut-out: -647.66,1189.76 -612.45,1189.76 -612.45,1157.23 -647.66,1157.23
  pour cut-out: -631.88,1375.29 -600.84,1375.29 -600.84,1342.76 -631.88,1342.76
  pour cut-out: -749.87,1375.37 -718.83,1375.37 -718.83,1342.83 -749.87,1342.83
  pour cut-out: -657.35,1307.16 -633.61,1307.16 -633.61,1295.02 -657.35,1295.02
  pour cut-out: -688.85,1224.49 -665.11,1224.49 -665.11,1212.35 -688.85,1212.35
  pour cut-out: -641.61,1224.49 -617.86,1224.49 -617.86,1212.35 -641.61,1212.35
  pour cut-out: -692.99,1248.16 -692.99,1271.9 -680.85,1271.9 -680.85,1248.16
  pour cut-out: -626.06,1248.16 -626.06,1271.9 -613.92,1271.9 -613.92,1248.16
  pour cut-out: -749.87,2087.18 -718.83,2087.18 -718.83,2054.64 -749.87,2054.64
  pour cut-out: -631.88,2087.11 -600.84,2087.11 -600.84,2054.57 -631.88,2054.57
  pour cut-out: -643.57,1910.01 -608.36,1910.01 -608.36,1877.48 -643.57,1877.48
  pour cut-out: -653.89,2023.74 -630.15,2023.74 -630.15,2011.6 -653.89,2011.6
  pour cut-out: -685.39,2023.74 -661.65,2023.74 -661.65,2011.6 -685.39,2011.6
  pour cut-out: -685.39,1941.07 -661.65,1941.07 -661.65,1928.93 -685.39,1928.93
  pour cut-out: -638.15,1941.07 -614.4,1941.07 -614.4,1928.93 -638.15,1928.93
  pour cut-out: -622.17,1964.22 -622.17,1987.96 -610.03,1987.96 -610.03,1964.22
  pour cut-out: -689.1,1964.22 -689.1,1987.96 -676.96,1987.96 -676.96,1964.22
  pour cut-out: -960.63,-453.39 -960.63,-388.07 -885.83,-388.07 -885.83,-454.38
  pour cut-out: -817.16,-451.14 -817.16,-385.83 -742.35,-385.83 -742.35,-452.13
  pour cut-out: -701.42,-586.61 -636.11,-586.61 -636.11,-661.42 -702.41,-661.42
  pour cut-out: -701.42,-728.35 -636.11,-728.35 -636.11,-795.52 -702.31,-795.52
  pour cut-out: -800.91,-499.46 -800.91,-472.46 -774.26,-472.46 -774.26,-499.82
  pour cut-out: -848.15,-499.46 -848.15,-472.46 -821.51,-472.46 -821.51,-499.82
  pour cut-out: -942.64,-499.46 -942.64,-472.46 -915.99,-472.46 -915.99,-499.82
  pour cut-out: -989.89,-499.46 -989.89,-472.46 -963.24,-472.46 -963.24,-499.82
  pour cut-out: -756.45,-749.38 -729.45,-749.38 -729.45,-776.02 -729.44,-776.03 -756.8,-776.03
  pour cut-out: -756.45,-702.13 -729.45,-702.13 -729.45,-728.78 -729.44,-728.78 -756.8,-728.78
  pour cut-out: -756.45,-607.64 -729.45,-607.64 -729.45,-634.29 -729.44,-634.29 -756.8,-634.29
  pour cut-out: -756.45,-560.4 -729.45,-560.4 -729.45,-587.05 -729.44,-587.05 -756.8,-587.05
  pour cut-out: -744.09,873.69 -712.6,873.69 -712.6,840.16 -744.09,840.16
  pour cut-out: -586.61,873.69 -555.12,873.69 -555.12,840.16 -586.61,840.16
  pour cut-out: -586.61,939.04 -555.12,939.04 -555.12,905.51 -586.61,905.51
  pour cut-out: -744.09,939.04 -712.6,939.04 -712.6,905.51 -744.09,905.51
  pour cut-out: -744.09,1582.35 -712.6,1582.35 -712.6,1548.82 -744.09,1548.82
  pour cut-out: -586.61,1582.35 -555.12,1582.35 -555.12,1548.82 -586.61,1548.82
  pour cut-out: -586.61,1647.7 -555.12,1647.7 -555.12,1614.17 -586.61,1614.17
  pour cut-out: -744.09,1647.7 -712.6,1647.7 -712.6,1614.17 -744.09,1614.17
  pour cut-out: -744.09,2356.36 -712.6,2356.36 -712.6,2322.83 -744.09,2322.83
  pour cut-out: -586.61,2356.36 -555.12,2356.36 -555.12,2322.83 -586.61,2322.83
  pour cut-out: -586.61,2291.01 -555.12,2291.01 -555.12,2257.48 -586.61,2257.48
  pour cut-out: -744.09,2291.01 -712.6,2291.01 -712.6,2257.48 -744.09,2257.48